# Altium PCB CSUEAF4_v2.0.PcbDoc (part 1 of 2) (continued)
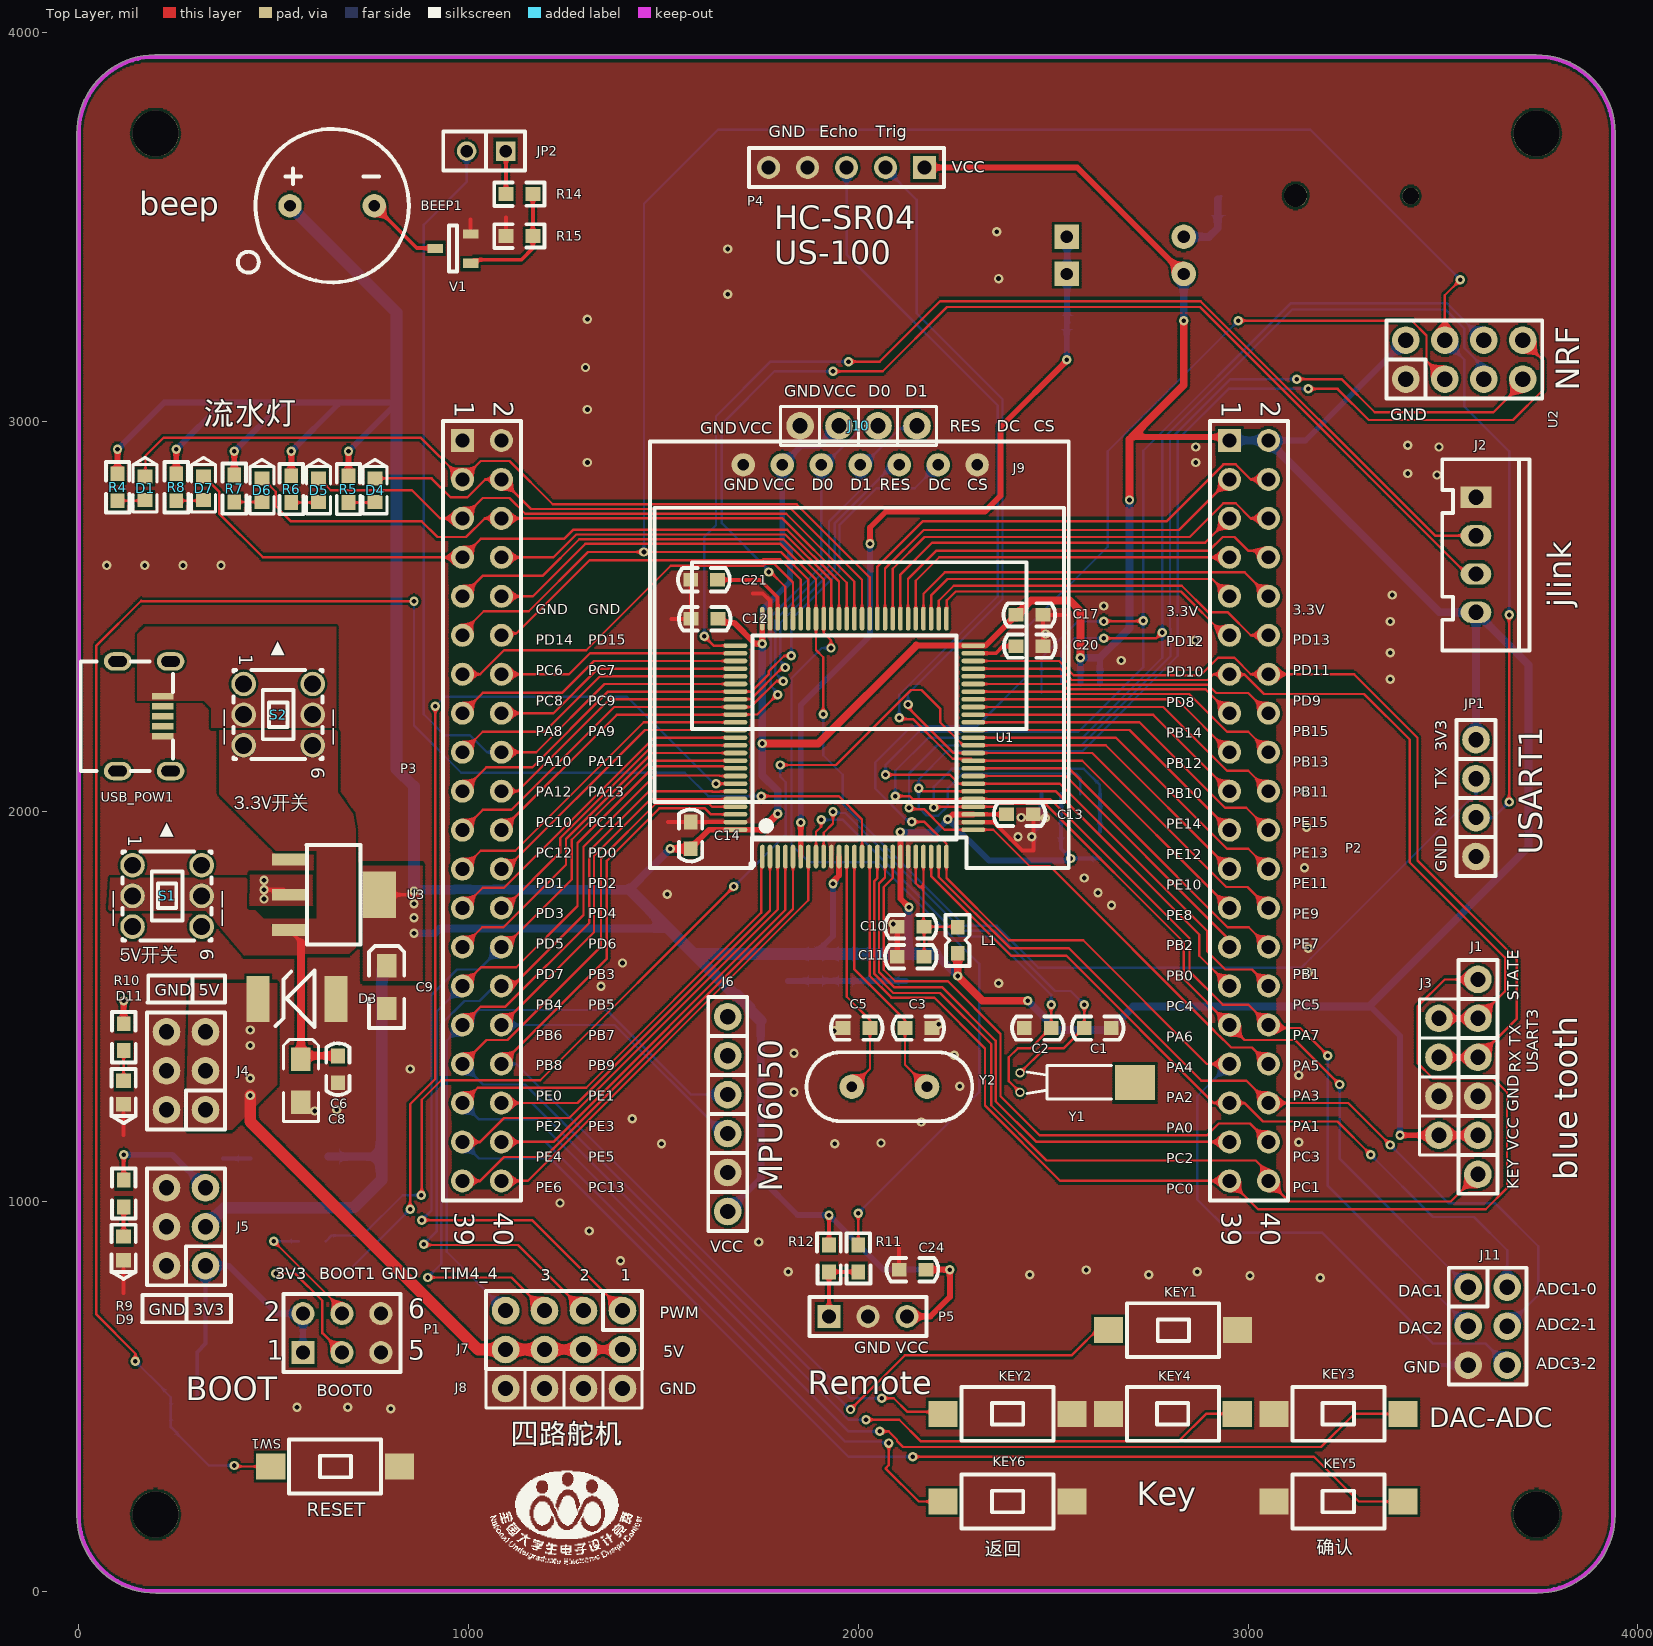
[diagram p0: Top Layer view]
## Components (designator, comment, footprint, x,y, rotation, side; value= is the part's Value field where it differs from the comment) (continued)
R6 "电阻" R0603 545.3,2793.26 r90 top value=150R
R7 "电阻" R0603 398.81,2794.68 r90 top value=150R
R8 "电阻" R0603 250,2798 r90 top value=150R
R9 "330" R0603 115,986 r90 top value=150R
R10 "1K" R0603 115,1387 r90 top value=150R
R11 "1K" R0603 2000,819.37 r90 top value=150R
R12 "1K" R0603 1925,888.37 r270 top value=150R
R13 "10K" R0603 2620,1949 r270 bottom value=150R
R14 "4.7K" R0603 1096,3585 r0 top value=150R
R15 "10K" R0603 1096,3477.4 r0 top value=150R
S1 "SWITCH-6" 自锁开关5.8*5.8 225,1784 r270 top
S2 "SWITCH-6" 自锁开关5.8*5.8 510,2249.06 r270 top
SW1 "SW" 按键微动开关3*6 660,320 r0 top
U1 "STM32F407VET6" LQFP100 1990,2190 r90 top
U2 "NRF24L01" 2.54排针2X4#2 3405,3110 r0 top
U3 "AMS1117-3V3" SOT223 655,1786.95 r270 top
U4 "W25Q80BL" W25Q-SO8 2620,2045 r90 bottom
USB_POW1 "" MICRO-USB-5P4脚无定位孔 101.06,2245 r270 top
V1 "NPN" SOT-23 960,3445 r90 top
Y1 "32KHz" OSC-2x6-WI-B 2405,1305 r270 top
Y2 "8MHz" OSC-HC-49S 2080,1294.29 r0 top

## Footprints (in the part's own frame and the unit in brackets; to place one, negate y for a bottom-side part, rotate by r counter-clockwise, add the part's x,y. Pads: shape width x height; smd on the part's side, far side on the other; paste and mask are expansions set on the pad)
2.54XH接插件4P [mm]
  rect 1.4x2 hole 1: 1(0,0)
  oval 1.4x2 hole 1: 2(2.5,0) 3(5,0) 4(7.5,0)
  silkscreen extent -2.48,-2.2 9.98,3.5, body extent -2.5,-2.25 10,3.45, height 7
2.54排针1X4 [mm]
  round 1.8 hole 1: 1(-7.62,0) 2(-5.08,0) 3(-2.54,0) 4(0,0)
  silkscreen extent -8.89,-1.27 1.27,1.27, body extent -8.89,-1.27 1.27,1.27, height 2.5
2.54排针1X6 [mm]
  round 1.8 hole 1: 1(-7.62,0) 2(-5.08,0) 3(-2.54,0) 4(0,0) 5(2.54,0) 6(5.08,0)
  silkscreen extent -8.89,-1.27 6.35,1.27, body extent -8.89,-1.27 6.35,1.27, height 2.5
2.54排针2X3 [mm]
  round 1.8 hole 1: 1(0,0) 2(0,2.54) 3(2.54,0) 4(2.54,2.54) 5(5.08,0) 6(5.08,2.54)
  silkscreen extent -1.27,-1.27 6.35,3.81, body extent -1.27,-1.27 6.35,3.81, height 2.5
2.54排针2X4#1 [mm]
  round 1.8 hole 1: 1(0,0) 2(0,2.54) 3(2.54,0) 4(2.54,2.54) 5(5.08,0) 6(5.08,2.54) 7(7.62,0) 8(7.62,2.54)
  silkscreen extent -1.27,-1.27 8.89,3.81, body extent -1.27,-1.27 8.89,3.81, height 2.5
2.54排针2X4#2 [mm]
  round 1.8 hole 1: 1(0,0) 2(0,2.54) 3(2.54,0) 4(2.54,2.54) 5(5.08,0) 6(5.08,2.54) 7(7.62,2.54) 8(7.62,0)
  silkscreen extent -1.27,-1.27 8.89,3.81, body extent -1.27,-1.27 8.89,3.81, height 2.5
3216-ce [mil]
  rect 60x50 smd: 1(0,0) 2(-110,0)
  silkscreen extent -160,-45 50,45, body extent -122,-31 12,35, height 67
BATM [mm]
  round 1.1 hole 1.1 unplated: 0(0,3.748)
  round 1.5 hole 1.5 unplated: 0(0.025,-3.752)
  oct 2.5x6 smd: 1(0,-8.602)
  oval 2.5x6 smd: 2(0,8.598)
  silkscreen extent -7.62,-7.58 7.62,7.57
C0603 [mil]
  rect 38x35 smd: 1(0,0) 2(69,0)
  silkscreen extent -31,-30 101,30, body extent 4,-16 67,16, height 12
DO-35 [mm]
  rect 1.6x1.6 hole 0.8: 1(3.81,0)
  round 1.6 hole 0.8: 2(-3.81,0)
  silkscreen extent -2.6,-0.95 2.6,0.95, body extent -4.1,-0.89 4.07,0.91, height 1.92
HDR1X3 [mm] "Connector; Header; 3 Position"
  rect 1.5x1.5 hole 0.9: 1(0,0)
  round 1.5 hole 0.9: 2(2.54,0) 3(5.08,0)
  silkscreen extent -1.27,-1.27 6.35,1.27
HDR1X5 [mm]
  rect 1.5x1.5 hole 0.9: 1(0,0)
  round 1.5 hole 0.9: 2(2.54,0) 3(5.08,0) 4(7.62,0) 5(10.16,0)
  silkscreen extent -1.27,-1.27 11.43,1.27
HDR2X3 [mm] "Connector; Header; 3x2 Position"
  rect 1.5x1.5 hole 0.9: 1(0,0)
  round 1.5 hole 0.9: 2(0,2.54) 3(2.54,0) 4(2.54,2.54) 5(5.08,0) 6(5.08,2.54)
  silkscreen extent -1.27,-1.27 6.35,3.81
HDR2X20 [mm] "Connector; Header; 20x2 Position"
  rect 1.5x1.5 hole 0.9: 1(0,0)
  round 1.5 hole 0.9: 2(0,2.54) 3(2.54,0) 4(2.54,2.54) 5(5.08,0) 6(5.08,2.54) 7(7.62,0) 8(7.62,2.54) 9(10.16,0) 10(10.16,2.54) 11(12.7,0) 12(12.7,2.54) 13(15.24,0) 14(15.24,2.54) 15(17.78,0) 16(17.78,2.54) 17(20.32,0) 18(20.32,2.54) 19(22.86,0) 20(22.86,2.54) 21(25.4,0) 22(25.4,2.54) 23(27.94,0) 24(27.94,2.54) 25(30.48,0) 26(30.48,2.54) 27(33.02,0) 28(33.02,2.54) 29(35.56,0) 30(35.56,2.54) 31(38.1,0) 32(38.1,2.54) 33(40.64,0) 34(40.64,2.54) 35(43.18,0) 36(43.18,2.54) 37(45.72,0) 38(45.72,2.54) 39(48.26,0) 40(48.26,2.54)
  silkscreen extent -1.27,-1.27 49.53,3.81
L0603 [mil]
  rect 38x35 smd: 1(-28,0) 2(38.87,0)
  silkscreen extent -60,-31 71,30, body extent -24,-15 36,15, height 20
"LED 0603B" [mm] "蓝色0603LED"
  rect 0.93x0.98 smd: A(0.77,0) K(-0.77,0)
  silkscreen extent -2,-0.79 1.53,0.79, body extent -0.8,-0.4 0.8,0.4, height 0.61
"LED 0603G" [mm] "绿色0603LED"
  rect 0.93x0.98 smd: A(0.77,0) K(-0.77,0)
  silkscreen extent -2,-0.79 1.53,0.79, body extent -0.8,-0.4 0.8,0.4, height 0.61
LQFP100 [mm] "100-pin low-profile quad flat"
  oval 1.55x0.3 smd: 1(-7.75,6) 2(-7.75,5.5) 3(-7.75,5) 4(-7.75,4.5) 5(-7.75,4) 6(-7.75,3.5) 7(-7.75,3) 8(-7.75,2.5) 9(-7.75,2) 10(-7.75,1.5) 11(-7.75,1) 12(-7.75,0.5) 13(-7.75,0) 14(-7.75,-0.5) 15(-7.75,-1) 16(-7.75,-1.5) 17(-7.75,-2) 18(-7.75,-2.5) 19(-7.75,-3) 20(-7.75,-3.5) 21(-7.75,-4) 22(-7.75,-4.5) 23(-7.75,-5) 24(-7.75,-5.5) 25(-7.75,-6) 51(7.75,-6) 52(7.75,-5.5) 53(7.75,-5) 54(7.75,-4.5) 55(7.75,-4) 56(7.75,-3.5) 57(7.75,-3) 58(7.75,-2.5) 59(7.75,-2) 60(7.75,-1.5) 61(7.75,-1) 62(7.75,-0.5) 63(7.75,0) 64(7.75,0.5) 65(7.75,1) 66(7.75,1.5) 67(7.75,2) 68(7.75,2.5) 69(7.75,3) 70(7.75,3.5) 71(7.75,4) 72(7.75,4.5) 73(7.75,5) 74(7.75,5.5) 75(7.75,6)
  oval 0.3x1.55 smd: 26(-6,-7.75) 27(-5.5,-7.75) 28(-5,-7.75) 29(-4.5,-7.75) 30(-4,-7.75) 31(-3.5,-7.75) 32(-3,-7.75) 33(-2.5,-7.75) 34(-2,-7.75) 35(-1.5,-7.75) 36(-1,-7.75) 37(-0.5,-7.75) 38(0,-7.75) 39(0.5,-7.75) 40(1,-7.75) 41(1.5,-7.75) 42(2,-7.75) 43(2.5,-7.75) 44(3,-7.75) 45(3.5,-7.75) 46(4,-7.75) 47(4.5,-7.75) 48(5,-7.75) 49(5.5,-7.75) 50(6,-7.75) 76(6,7.75) 77(5.5,7.75) 78(5,7.75) 79(4.5,7.75) 80(4,7.75) 81(3.5,7.75) 82(3,7.75) 83(2.5,7.75) 84(2,7.75) 85(1.5,7.75) 86(1,7.75) 87(0.5,7.75) 88(0,7.75) 89(-0.5,7.75) 90(-1,7.75) 91(-1.5,7.75) 92(-2,7.75) 93(-2.5,7.75) 94(-3,7.75) 95(-3.5,7.75) 96(-4,7.75) 97(-4.5,7.75) 98(-5,7.75) 99(-5.5,7.75) 100(-6,7.75)
  silkscreen extent -8.37,-6.65 6.65,6.77, body extent -8,-8 8,8, height 1.6
MICRO-USB-5P4脚无定位孔 [mm]
  rect 0.4x1.4 smd: 1(-1.3,2.914) 2(-0.65,2.914) 3(0,2.914) 4(0.65,2.914) 5(1.3,2.914)
  oval 1.2x1.8 hole 0.7 slot 1.2 at 90 deg: 6(-3.575,3.414) 6(-3.575,-0.036) 6(3.575,3.414) 6(3.575,-0.036)
  silkscreen extent -3.57,-2.44 3.57,3.57
"OLED 0.96-SPI _无定位孔" [mil]
  round 60 hole 30: 1(0,0) 2(100,0) 3(200,0) 4(300,0) 5(400,0) 6(500,0) 7(600,0)
  silkscreen extent -240,-1034 835,60, body extent -228,-1036 824,61, height 334
OSC-2x6-WI-B [mm] "脚距：1.6mm"
  round 0.6 hole 0.36: 1(0.635,0.254) 2(-0.635,0.254)
  rect 2.3x2.6 smd: 3(0,7.747)
  silkscreen extent -1.1,0.7 1.07,6.2, body extent -1,0.1 1,8.25, height 2.05
OSC-HC-49S [mm]
  round 1.6 hole 0.7: 1(-2.45,0) 2(2.45,0)
  silkscreen extent -5.39,-2.25 5.39,2.25, body extent -5.39,-2.27 5.41,2.23, height 3.6
R0603 [mil] "1/10W"
  rect 38x35 smd: 1(0,0) 2(69,0)
  silkscreen extent -30,-31 99,30, body extent 4,-16 66,16, height 18
SIP2 [mil]
  rect 50x50 hole 32: 1(0,0)
  round 50 hole 32: 2(100,0)
  silkscreen extent -50,-50 160,50
SMBJ [mm]
  rect 1.5x3 smd: 1(-2.413,0) 2(2.667,0)
  silkscreen extent -1.02,-1.85 1.52,1.83
SOT223 [mm]
  rect 0.76x2.2 smd: 1(-2.3,-2.95) 2(0,-2.95) 3(2.3,-2.95)
  rect 3x2.2 smd: 2(0,2.95)
  silkscreen extent -3.25,-1.8 3.26,1.73, body extent -3.25,-3.5 3.25,3.5, height 1.69
SOT-23 [mm] "SOT-23-3"
  rect 0.6x1 smd: 1(-0.95,-1.15) 2(0.95,-1.15) 3(0,1.15)
  silkscreen extent -1.5,-0.27 1.5,0.27, body extent -1.46,-1.28 1.46,1.27, height 0.99
W25Q-SO8 [mm]
  oval 1.8x0.6 smd: 1(0,0) 2(0,-1.27) 3(0,-2.54) 4(0,-3.81) 5(7.2,-3.81) 6(7.2,-2.54) 7(7.2,-1.27) 8(7.2,0)
  silkscreen extent 1.69,-4.44 5.4,0.63, body extent -0.45,-4.63 7.65,0.83, height 1.75
按键微动开关3*6 [mm]
  rect 1.9x1.7 smd: 1(-4.257,0) 2(4.143,0)
  silkscreen extent -3.06,-1.75 2.94,1.75
自锁开关5.8*5.8 [mm] "PB12E06371， GANGYUAN(港源)"
  round 1.6 hole 1.1: 1(-2,-2.214) 2(0,-2.214) 3(2,-2.214) 4(-2,2.286) 5(0,2.286) 6(2,2.286)
  silkscreen extent -2.9,-2.86 2.9,2.94
蜂鸣器0905 [mil]
  round 60 hole 30: 1(-108.27,0) 2(108.27,0)
  silkscreen extent -242,-197 197,197

## Part data
BAT1: library part BAT
C1 C2 C3 C4 C5 C6 C7 C10 C11 C12 C13 C14 C16 C17 C18 C19 C20 C21 C22 C23 C24: library part 电容, "Capacitor", LatestRevisionDate=17-Jul-2002, LatestRevisionNote="Re-released for DXP Platform.", PackageDescription="Radial Cap, Thru-Hole; 2 Leads; 0.3 in Pin Spacing", PackageReference=RAD-0.3, Published=8-Jun-2000, Publisher="Altium Limited"
C8 C9: library part 电解电容, "Polarized Capacitor (Axial)", LatestRevisionDate=17-Jul-2002, LatestRevisionNote="Re-released for DXP Platform.", PackageDescription="Polarized Capacitor; 2 Leads", PackageReference=POLAR0.8, Published=8-Jun-2000, Publisher="Altium Limited"
C15: "Capacitor", LatestRevisionDate=17-Jul-2002, LatestRevisionNote="Re-released for DXP Platform.", PackageDescription="Radial Cap, Thru-Hole; 2 Leads; 0.3 in Pin Spacing", PackageReference=RAD-0.3, Published=8-Jun-2000, Publisher="Altium Limited"
D2 D3: library part SMBJ, "TVS"
D8 D10: "开关二极管"
J7: library part PIN-8
J9: library part OLED_SPI
J11: library part PIN-6
JP2: "Connector"
KEY1 KEY2 KEY3 KEY4 KEY5 KEY6 SW1: library part Switch, "Single-Pole, Single-Throw Switch"
L1: library part 磁珠
P1: "Header, 3-Pin, Dual row", LatestRevisionDate=17-Jul-2002, LatestRevisionNote="Re-released for DXP Platform.", Publisher="Altium Limited"
P2 P3: "Header, 20-Pin, Dual row", LatestRevisionDate=17-Jul-2002, LatestRevisionNote="Re-released for DXP Platform.", Publisher="Altium Limited"
P4: "超声波测距模块"
P5: library part "Header 3", "Header, 3-Pin", LatestRevisionDate=17-Jul-2002, LatestRevisionNote="Re-released for DXP Platform.", Publisher="Altium Limited"
R1 R2 R3 R9 R10 R11 R12 R13 R14 R15: library part 电阻, "Resistor", LatestRevisionDate=17-Jul-2002, LatestRevisionNote="Re-released for DXP Platform.", PackageDescription="Axial Device, Thru-Hole; 2 Leads; 0.3 in Pin Spacing", PackageReference=AXIAL-0.3, Published=8-Jun-2000, Publisher="Altium Limited"
R4 R5 R6 R7 R8: "Resistor", LatestRevisionDate=17-Jul-2002, LatestRevisionNote="Re-released for DXP Platform.", PackageDescription="Axial Device, Thru-Hole; 2 Leads; 0.3 in Pin Spacing", PackageReference=AXIAL-0.3, Published=8-Jun-2000, Publisher="Altium Limited"
S1 S2: "自锁开关"
U1: BOM_LCSC Assembly=Yes, BOM_Manufacturer=STMicroelectronics, BOM_Manufacturer Part=STM32F407VET6, BOM_Supplier=LCSC, BOM_Supplier Part=C28730, image=//image.lceda.cn/szlcsc/C28730.jpg, SMT Type=Basic, spicePre=U
U2: "NRF24L01模块排母"
U3: library part 三端稳压, "三端稳压芯片", BOM名称=ÎÈÑ, 学习资源=www.ooocke.
USB_POW1: library part USB
V1: "NPN Bipolar Transistor", Code_JEDEC=TO-226-AA, LatestRevisionDate=17-Jul-2002, LatestRevisionNote="Re-released for DXP Platform.", PackageDescription="TO, Flat Index; 3 In-Line, Axial Leads; Body Dia. 4.8mm; Leads 0.55 x 0.51 mm (max)", PackageReference=TO-226-AA, Published=8-Jun-2000, Publisher="Altium Limited"
Y1 Y2: library part XTAL, "Crystal Oscillator", LatestRevisionDate=17-Jul-2002, LatestRevisionNote="Re-released for DXP Platform.", PackageDescription="Crystal, Thru-Hole; 2 Leads; Body 3.1 x 8.2 mm (Dia.xH)", PackageReference=R38, Published=8-Jun-2000, Publisher="Altium Limited"

## Free pads (board coordinates)
  round 118.11 hole 118.11 unplated: 1(196.85,3740.16) 2(3740.16,3740.16) 3(3740.16,196.85) 4(196.85,196.85)

## Via types
v1: diameter 24, hole 12, Top Layer to Bottom Layer, tented both sides, 170 vias

## Nets (pads, with @x,y where several pads share a name; then routed paths per layer and width w, separated by ;. In a path a pad name is that pad's centre, name@x,y a point inside that pad or via, vN(x,y) a via of type N, cw(c..) or ccw(c..) an arc to the next point about the centre after c; other vN are vias at no path point)
3V3: BEEP1.1 C7.2 C9.1 C12.2 C13.2 C14.2 C15.2 C16.2 C17.2 C18.2 C19.2 C23.1 C24.1 D2.2 D10.2 J1.2 J2.4 J3.4 J5.1 J5.3 J5.5 J6.6 J9.2 J10.3 JP1.1 L1.2 P1.1 P1.2 P2.1 P2.2 P4.1 P5.3 R3.1 R4.2 R5.2 R6.2 R7.2 R8.2 R9.2 R12.1 R13.2 U1.11 U1.19 U1.28 U1.50 U1.75 U1.100 U2.2 U3.2 U4.3 U4.7 U4.8 | length 21294.4
  Top Layer w10: R9.2@115,1055 v1(115,1120) ; v1(475,1800) 525.81,1800 U3.2@538.86,1786.95 ; U3.2@771.14,1786.95 870,1786.95 ; C14.2@1569.78,1905 C14.2@1569.78,1906.5 ; C12.2@1640,2495 C12.2@1641.5,2495 ; U1.75@1753.78,2495.12 U1.75@1753.78,2516.54 ; R12.1@1925,888.37 v1(1925,965) ; U1.28@2295.12,1993.15 C13.2@2380,1993.15 ; J1.2@3570.31,1170 3580.31,1160 J1.2@3590,1169.69
  Top Layer w15: R4.2@99.37,2867 v1(99.37,2930) ; R8.2@250,2867 v1(250,2930) ; R7.2@398.81,2863.68 v1(398.81,2925) ; R6.2@545.3,2862.26 v1(545.3,2925) ; R5.2@691.84,2862.26 v1(691.84,2925) ; C14.2@1569.78,1906.5 1617.06,1953.78 U1.100@1684.88,1953.78 1751.93,1953.78 ; C12.2@1640,2495 1650,2485 1681.5,2485 1735.28,2431.22 v1(1753.78,2431.22) U1.75@1753.78,2495.12 ; v1(1935,1815) 1935,1820.49 1950.63,1836.12 U1.11@1950.63,1884.88 ; v1(2108.11,1948.11) U1.19@2108.11,1884.88 2108.39,1884.6 2108.39,1776.61 v1(2130,1755) ; P5.3@2125,705 2185,705 2235,755 v1(2235,825) C24.1@2174,825 ; 2148.57,2426.22 U1.50@2295.12,2426.22 2326.22,2426.22 C17.2@2405,2505 C17.2@2406.5,2505 ; P4.1@2170,3652.97 2562.03,3652.97 D10.2@2835,3380 ; v1(2230,1980.32) 2242.56,1992.87 2294.84,1992.87 U1.28@2295.12,1993.15 ; 2695.83,2955.83 2701.5,2961.5 2944.01,2961.5 P2.1@2952.76,2952.76 ; v1(3390,1170) J1.2@3570.31,1170
  Top Layer w20: v1(1517.22,1905) C14.2@1569.78,1905 ; 1751.93,1953.78 v1(1793.15,1995) ; v1(1753.78,2175) 1897.35,2175 2148.57,2426.22 ; L1.2@2255,1636.68 v1(2255,1578.63) 2318.63,1515 v1(2435,1515) ; C17.2@2406.5,2505 2443.72,2542.22 2542.78,2542.22 2570,2515 v1(2570,2395) ; v1(2695.83,2800) 2695.83,2955.83 ; 2701.5,2961.5 2835,3095 v1(2835,3260)
  Bottom Layer w10: R3.1@315.57,501.57 309,495 R3.1@304,500 304,614 325,635 J5.1@325,835 ; C7.2@777,1592.5 789.5,1605 C7.2@791,1605 ; J6.6@1671.55,967.68 J6.6@1665,974.23 1675,974.23 J6.6@1675,984.23 ; U4.3@2520,2045 C23.1@2520,1950 2520,1905 v1(2545,1880) R13.2@2620,1880
  Bottom Layer w15: v1(99.37,2930) 219.37,3050 370,3050 ; v1(115,1120) 240,1120 J5.5@325,1035 ; v1(250,2930) 370,3050 ; J5.1@325,835 385,835 507.77,712.23 P1.2@575,712.23 P1.1@575,612.23 ; v1(398.81,2925) 523.81,3050 ; v1(545.3,2925) 665,3044.7 665,3050 ; v1(691.84,2925) 805,3038.16 805,3050 ; 823.11,3050 815,3050 805,3050 ; J6.6@1675,984.23 1750,1059.23 1844.23,965 v1(1925,965) 2065,825 v1(2235,825) ; v1(1753.78,2431.22) 1753.78,2518.31 1825,2589.53 1825,2669.5 1805,2689.5 J9.2@1805,2890 1853.96,2938.96 1899.59,2938.96 J10.3@1950.63,2990 ; C16.2@1890.44,1635 1890.44,1636.5 1935,1681.06 v1(1935,1815) 1937.44,1815 v1@1942.44,1820 ; v1(2108.11,1948.11) 2197.8,1948.11 v1(2230,1980.32) 2335.82,1874.5 2537.06,1874.5 2542.56,1880 v1(2545,1880) ; U4.7@2570,2328.46 v1(2570,2395) ; U4.8@2620,2328.46 2620,2395 ; P2.2@3052.76,2952.76 3147.76,2952.76 U2.2@3405,3210 ; 3312.5,1502.5 3390,1425 v1(3390,1170) ; 370,3050 523.81,3050 ; 523.81,3050 665,3050 ; 665,3050 805,3050
  Bottom Layer w20: D2.2@640,1115 777,1115 780,1115 ; v1(860,1688) 914,1688 926,1700 1513.8,1700 ; 1407.22,1800 1410.51,1803.29 1413.01,1800.79 ; 1409.72,1797.5 1413.01,1800.79 ; v1(1517.22,1905) 1413.01,1800.79 ; 1750,1059.23 1750,1463.8 ; v1(1753.78,2431.22) v1(1753.78,2175) 1753.78,2093.11 1793.15,2053.74 v1(1793.15,1995) ; C19.2@2122.8,1635 2129.23,1641.43 2129.23,1754.23 v1(2130,1755) ; 2198.63,1635 v1(2255,1578.63) ; v1(2435,1515) 2510,1440 2645,1440 2705,1500 3310,1500 ; v1(2570,2395) 2620,2395 2695.83,2470.83 v1(2695.83,2800) ; v1(2835,3260) D10.2@2835,3380 ; P2.1@2952.76,2952.76 P2.2@3052.76,2952.76 ; P2.2@3052.76,2950 3491.18,2511.57 J2.4@3585,2511.57 ; 3312.5,1502.5 3720,1910 3720,2376.57 J2.4@3585,2511.57 ; JP1.1@3585,2185 J2.4@3585,2511.57
  Bottom Layer w25: v1(860,1796) 868,1796 872,1800 963.57,1800 964.36,1800.78 1004.15,1800.78 1004.93,1800 1063.57,1800 1064.36,1800.78 1104.15,1800.78 1104.93,1800 1407.22,1800
  Bottom Layer w30: J5.3@325,935 374,984 705.75,984 777,1055.25 777,1115 C7.2@777,1592.5 ; BEEP1.1@541.73,3555 815,3281.73 815,3050 815,2109.67 860,2064.67 v1(860,1796) ; 1413.01,1800.79 1513.8,1700 1683.14,1530.66 1688.38,1530.66 1721.43,1497.6 1721.43,1492.37 1750,1463.8 ; 1580,1635 C16.2@1890.44,1635 C18.2@1966.66,1635 C15.2@2043.51,1635 C19.2@2122.8,1635 2198.63,1635
  other v1: 860,1728 860,1764 475,1776 475,1824
5V: D3.2 J4.1 J4.3 J4.5 J7.2 J7.4 J7.6 J7.8 R10.2 S1.3 S1.6 | length 1323.3
  Top Layer w15: R10.2@115,1456 v1(115,1515)
  Top Layer w20: J7.4@1295,620 J7.2@1395,620
  Top Layer w25: J7.6@1195,620 J7.4@1295,620
  Top Layer w30: v1(440,1272) 440,1205 575,1070 1025,620 J7.8@1095,620 J7.6@1195,620
  other v1: 440,1316 440,1400 440,1440
ADC1_CH0: J11.2 P2.35 U1.23 | length 2020.4
  Top Layer w6: U1.23@2186.85,1884.88 2186.85,1835.43 2391.77,1630.51 2534.06,1630.51 2911.81,1252.76 P2.35@2952.76,1252.76 2990.92,1252.76 3038.68,1205 3230,1205 v1(3315,1120)
  Bottom Layer w6: v1(3315,1120) 3475,960 3580,960 3665,875 J11.2@3665,780
ADC2_CH1: J11.4 P2.36 U1.24 | length 2221.3
  Top Layer w6: U1.24@2206.54,1884.88 2206.54,1832.71 2389.25,1650 2540,1650 2880,1310 2995.51,1310 P2.36@3052.76,1252.76 3257.24,1252.76 v1(3365,1145)
  Bottom Layer w6: v1(3365,1145) 3515,995 3635,995 3745,885 3745,760 J11.4@3665,680
ADC3_CH2: J11.6 P2.33 U1.25 U2.3 | length 4925
  Top Layer w6: v1(2137.24,1974) 2170,1974 2226.22,1917.78 U1.25@2226.22,1884.88 2226.22,1830 2386.22,1670 2577.09,1670 2894.33,1352.76 P2.33@2952.76,1352.76 ; v1(2975,3260) 3420,3260 3458,3222 3458,3157 3498.64,3116.36 U2.3@3498.64,3103.64
  Bottom Layer w6: v1(2137.24,1974) 2129,1974 2043.51,2059.49 2043.51,2126.27 2137.24,2220 2305,2220 2435,2350 2435,2475 2640,2680 2640,2925 v1(2975,3260) ; P2.33@2952.76,1352.76 2870,1270 2870,1005 2955,920 3190,920 3474.43,635.57 3609.43,635.57 J11.6@3665,580
BEEP: JP2.2 P3.18 U1.81 | length 2403.2
  Top Layer w6: P3.18@1084.25,2152.76 1173.7,2152.76 1348.74,2327.8 U1.81@1684.88,2327.8
  Bottom Layer w6: JP2.2@995,3695 995,3615.75 885,3505.75 885,2293.7 885,2250 938.55,2196.45 1003.55,2196.45 1047.24,2152.76 P3.18@1084.25,2152.76
BOOT0: R1.2 U1.94 | length 2476.2
  Top Layer w6: v1(850,980) 850,1249.6 914.72,1314.32 v1(914.72,2270.59) ; v1(1635,2071.89) U1.94@1684.88,2071.89 U1.94@1685.99,2073
  Bottom Layer w6: R1.2@635,815 638,812 682,812 v1(850,980) ; v1(914.72,2270.59) 939.13,2295 1406.49,2295 1626.49,2075 v1@1635,2075
BOOT1: P2.23 R2.1 U1.37 | length 3384.1
  Top Layer w6: v1@880,1015 880,1261 929.91,1310.91 1183.75,1310.91 v1(1680.83,1808) ; v1(1800,2120) 1943.1,2120 2135.61,2312.51 2162.49,2312.51 2210,2265 2210,2229.43 2269.12,2170.32 U1.37@2295.12,2170.32 2635.2,2170.32 P2.23@2952.76,1852.76
  Bottom Layer w6: R2.1@634,898 648.5,912.5 727.5,912.5 831,1016 v1(879,1016) ; v1(1680.83,1808) 1814.15,1941.32 1814.15,2075.85 1800,2090 v1(1800,2120)
CH340_RESET: C4.2 R3.2 SW1.1 U1.14 | length 4911
  Top Layer w6: v1(145,590) 145,610 45,710 45,1860 45,2426.38 160.16,2541.54 161.69,2540 v1(860,2540) ; v1(398.81,322.5) 401.31,320 SW1.1@492.4,320 ; v1(1751.1,2040) 1950,2040 2009.68,1980.32 U1.14@2009.68,1884.88
  Bottom Layer w6: v1(145,590) 219,516 219,514.5 236,497.5 C4.2@236,420 237.5,420 252,405.5 252,404 333.5,322.5 v1(398.81,322.5) ; v1(860,2540) 860,2221.51 981.51,2100 1555,2100 1615,2040 v1(1751.1,2040)
D0: J9.3 J10.2 P3.22 U1.85 | length 1691.1
  Top Layer w6: P3.22@1084.25,1952.76 1380.55,2249.06 U1.85@1684.88,2249.06 1685.29,2249.47 1740.61,2249.47 1791.15,2300 v1(1793.15,2300)
  Bottom Layer w6: v1(1793.15,2300) 1793.15,2304.96 1775,2323.11 1775,2500 1905,2630 J9.3@1905,2890 1913.47,2890 2006.2,2982.73 2043.36,2982.73 J10.2@2050.63,2990
D1: J9.4 J10.1 P3.21 U1.84 | length 1822.9
  Top Layer w6: P3.21@984.25,1952.76 1036.25,2004.76 1109.76,2004.76 1373.74,2268.74 U1.84@1684.88,2268.74 1723.74,2268.74 1790,2335 v1(1807.83,2335)
  Bottom Layer w6: v1(1807.83,2335) 1807.74,2335 1787,2355.74 1787,2492 1925,2630 1925,2745 2005,2825 J9.4@2005,2890 2013.47,2890 2106.2,2982.73 2143.36,2982.73 J10.1@2150.63,2990
DAC1_OUT: J11.1 P2.31 R13.1 U1.29 U4.1 | length 2689.7
  Top Layer w6: v1(2194,2011) 2195.83,2012.83 U1.29@2295.12,2012.83 2350.46,2012.83 2357.27,2019.65 2480.65,2019.65 2835,1665.3 2835,1570.51 P2.31@2952.76,1452.76 2991.28,1414.23 3120.77,1414.23 v1(3235,1300)
  Bottom Layer w6: v1(2194,2011) 2194,2064 2240,2110 2578.62,2110 2620,2068.62 U4.1@2620,2045 ; v1(3235,1300) 3235,1110 J11.1@3565,780
  Bottom Layer w10: R13.1@2620,1949 U4.1@2620,2045
DAC2_OUT: J11.3 P2.32 U1.30 U2.5 U4.6 | length 5165.5
  Top Layer w6: v1(2095,2040) 2132.03,2040 2139.51,2032.52 U1.30@2295.12,2032.52 2492.48,2032.52 2849.84,1675.16 2849.84,1590.16 2935,1505 3000.51,1505 P2.32@3052.76,1452.76 3060.51,1445 3134.23,1445 v1(3205,1374.23) ; v1(2630,2445) 2765,2445 v1(2780,2460) ; U2.5@3597.73,3117.27 U2.5@3605,3110
  Bottom Layer w6: v1(2095,2040) 2095,2105 2180,2190 2575,2190 2780,2395 v1(2780,2460) 2780,2955 3113.49,3288.49 3506.51,3288.49 3555,3240 3555,3190 3605,3140 U2.5@3605,3110 ; U4.6@2520,2328.46 2520,2410 2555,2445 v1(2630,2445) ; v1(3205,1374.23) 3205,1040 J11.3@3565,680
DC: J9.6 P3.19 U1.82 | length 1696.2
  Top Layer w6: P3.19@984.25,2052.76 1045.72,2114.23 1164.23,2114.23 1358.11,2308.11 U1.82@1684.88,2308.11 1726.14,2308.11 1770,2351.97 1770,2360 1810,2400 v1(1828.24,2400)
  Bottom Layer w6: v1(1828.24,2400) 1828.24,2493.24 1952,2617 1952,2735.34 2046.66,2830 2145,2830 J9.6@2205,2890
Echo: P2.25 P4.3 U1.35 | length 2733.7
  Top Layer w6: v1(2105,2241) 2108.35,2237.65 2140.38,2237.65 2242.31,2135.72 2290.34,2135.72 U1.35@2295.12,2130.94 2574.57,2130.94 P2.25@2952.76,1752.76
  Bottom Layer w6: P4.3@1955,3652.97 1970,3637.97 1970,3430 2358,3042 2358,2553 2105,2300 v1(2105,2241)
GND: BAT1.2 C1.1 C2.1 C3.1 C4.1 C5.1 C6.1 C7.1 C8.2 C9.2 C10.1 C11.1 C12.1 C13.1 C14.1 C15.1 C16.1 C17.1 C18.1 C19.1 C20.2 C21.2 C22.1 C23.2 C24.2 D2.1 D3.1 D9.K D11.K J1.3 J2.1 J3.3 J4.2 J4.4 J4.6 J5.2 J5.4 J5.6 J6.5 J8.1 J8.2 J8.3 J8.4 J9.1 J9.7 J10.4 J11.5 JP1.4 KEY1.2 KEY2.2 KEY3.2 KEY4.2 KEY5.2 KEY6.2 P1.5 P1.6 P3.1 P3.2 P4.4 P4.5 P5.2 R15.1 SW1.2 U1.10 U1.20 U1.27 U1.74 U1.99 U2.1 U3.1 U4.4 USB_POW1.5 V1.2 | length 1856.9
  Top Layer w10: 115,765 D9.K@115,849.37 ; 115,1170 D11.K@115,1249.37 ; V1.2@1005.28,3482.4 1005.28,3520 ; R15.1@1096,3477.4 1096,3525 ; 1512.22,1974 C14.1@1569.78,1974 1570.31,1973.46 U1.99@1684.88,1973.46 ; 1521.22,2495 C12.1@1571,2495 1570.5,2495.5 1570.5,2574.5 1570,2575 ; 1730,2560 1755,2560 1773.46,2541.54 U1.74@1773.46,2495.12 ; C24.2@2105,825 2105,890 ; U1.27@2295.12,1973.46 2346.54,1973.46 2420,1900 2450,1900 2450,1992.15 C13.1@2449,1993.15 C13.1@2449,2000 ; C20.2@2474,2425 C17.1@2474,2505 2530,2505 ; KEY6.2@2537.48,225 2533.43,229.06 KEY6.2@2537.48,229.06
  Top Layer w15: C11.1@2100,1627.76 C10.1@2100,1705
  Bottom Layer w10: 370,1110 D2.1@440,1110 ; 2451,1905 C23.2@2451,1950 2452.5,1950 2462.5,1960 2462.5,1961.5 2470,1969 U4.4@2470,2045 ; 3460,580 J11.5@3565,580 J11.5@3560,575
  Bottom Layer w15: 1820,1566 C16.1@1890.44,1566 C18.1@1966.66,1566 C15.1@2043.51,1566 C19.1@2122.8,1566
  other v1: 800,468 560,472 690,472 3185,804 3005,809 2440,812 2745,812 1820,820 2870,820 2585,824 1390,848 1745,896 1310,924 1234.74,996 1495,1148 1940,1148 2058.26,1150 3130,1152 2161.4,1204 1420,1212 605,1232 662.08,1235 1835,1280 2260,1296 3130,1324 850,1340 2246.46,1375 1835,1380 1938.33,1437.57 2206.54,1455 1340,1552 2360,1560 3155,1588 1395,1612 3155,1650 2090,1712 2649.66,1760 1510,1788 2615,1792 2580,1830.01 3145,1856 2410,1936 2445,1936 3150,1960 2480.04,1984 2417.98,1985 3145,2052 3365,2340 2675,2388 3365,2408 2865,2440 2480.62,2456 3365,2488 2630,2528 3370,2556 71.55,2632 169.37,2632 267.18,2632 365,2632 3485,2864 3410,2868 1305,2896 2866.11,2896 2865.96,2936 3490,2936 3410,2940 1305,3032 1300,3140 1305,3264 1665,3328 2360,3368 1665,3444 2355,3488
I2C1_SCL: J6.3 J7.7 P3.31 U1.95 | length 2657
  Top Layer w6: P3.31@984.25,1452.76 1031.5,1500 1095,1500 1310,1715 1310,1900 1462.2,2052.2 1624.99,2052.2 1626.3,2050.89 1643.7,2050.89 1645.01,2052.2 U1.95@1684.88,2052.2
  Bottom Layer w6: J7.7@1095,720 944,871 944,1412.5 P3.31@984.25,1452.76 987.76,1452.76 1026.28,1491.28 1353.72,1491.28 1570.77,1274.23 J6.3@1665,1274.23
I2C1_SDA: J6.4 P3.32 U1.96 | length 1652
  Top Layer w6: P3.32@1084.25,1452.76 1322,1690.5 1322,1887 1467.52,2032.52 U1.96@1684.88,2032.52
  Bottom Layer w6: P3.32@1084.25,1452.76 1375.27,1452.76 1653.8,1174.23 J6.4@1665,1174.23
I2C2_SCL: J1.5 J3.1 P2.13 U1.47 | length 2153.3
  Top Layer w6: U1.47@2295.12,2367.17 2518.34,2367.17 2547.51,2338 2896.55,2338 2911.3,2352.76 P2.13@2952.76,2352.76 2953.77,2351.74 2991.28,2351.74 3041.03,2302 3298,2302 3415,2185 3415,1870 3660,1625 3660,1539.69 J1.5@3590,1469.69 J3.1@3490,1469.69
I2C2_SDA: J1.4 J3.2 P2.14 U1.48 | length 2326.1
  Top Layer w6: U1.48@2295.12,2386.85 2515.63,2386.85 2552.48,2350 2878.31,2350 2923.31,2395 2965,2395 3007.24,2352.76 P2.14@3052.76,2352.76 3272.24,2352.76 3435,2190 3435,1875 3690,1620 3690,1469.69 J1.4@3590,1369.69 J3.2@3490,1369.69
I2C3_SCL: P3.9 R11.2 U1.67 | length 3232.2
  Top Layer w6: P3.9@984.25,2552.76 1037.32,2605.82 1190.82,2605.82 1284,2699 1294.27,2699 1294.53,2699.26 1807.83,2699.26 1911.26,2595.83 U1.67@1911.26,2495.12 1911.26,2458.74 1930,2440 v1(1930,2420) ; R11.2@2000,888.37 v1(2000,970)
  Bottom Layer w6: v1(1930,2420) 1906.26,2420 1828.83,2342.57 1828.83,1915.4 1874.23,1870 2050,1870 2310,1610 2310,1280 v1(2000,970)
I2C3_SDA: P3.8 U1.66 | length 1017.9
  Top Layer w6: P3.8@1084.25,2652.76 1217.76,2652.76 1276.26,2711.26 1812.8,2711.26 1930.94,2593.12 U1.66@1930.94,2495.12
JTDI: P3.14 U1.77 | length 617.9
  Top Layer w6: P3.14@1084.25,2352.76 1257.76,2352.76 1311.54,2406.54 U1.77@1679.88,2406.54
JTDO: P3.26 U1.89 | length 795.2
  Top Layer w6: P3.26@1084.25,1752.76 1092.76,1752.76 1235,1895 1235,1931.97 1473.34,2170.32 U1.89@1684.88,2170.32
JTRST: P3.27 U1.90 | length 945.5
  Top Layer w6: P3.27@984.25,1652.76 1035.05,1703.55 1089.53,1703.55 1250,1864.02 1250,1930 1470.63,2150.63 U1.90@1684.88,2150.63